# EAGLE board working (EAGLE 6.6.0), part 1 of 2
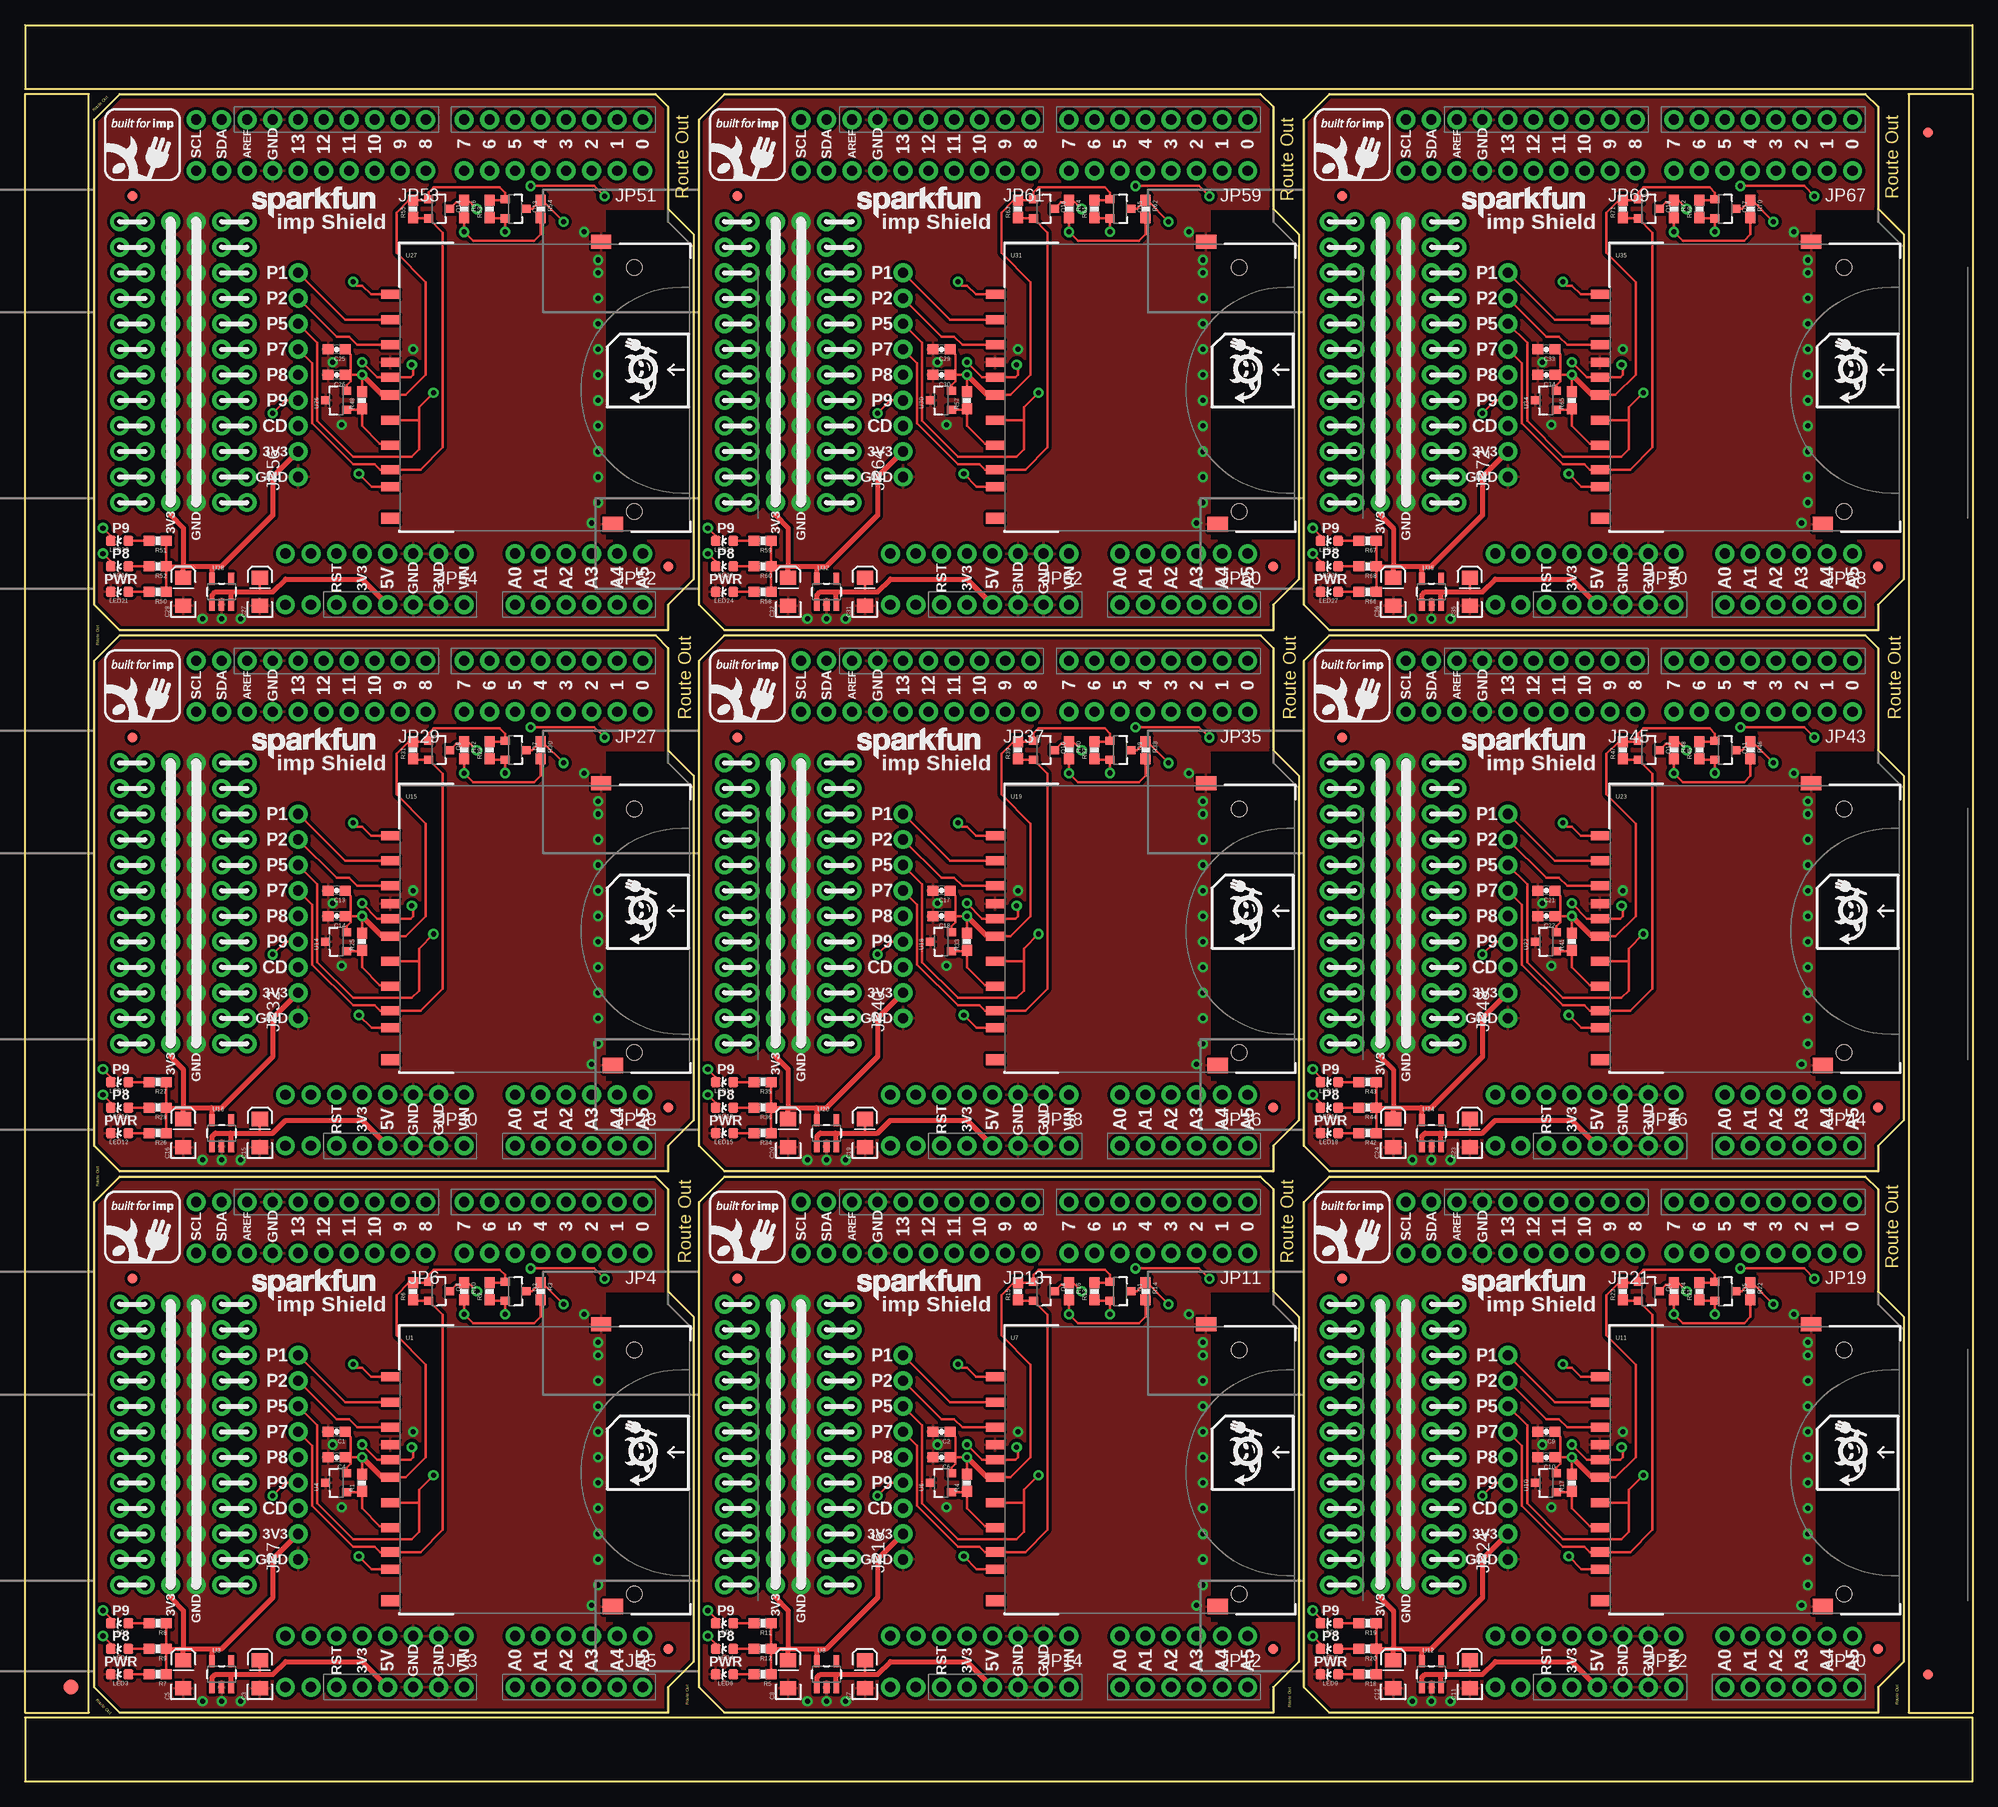
[diagram p0: board, top side]
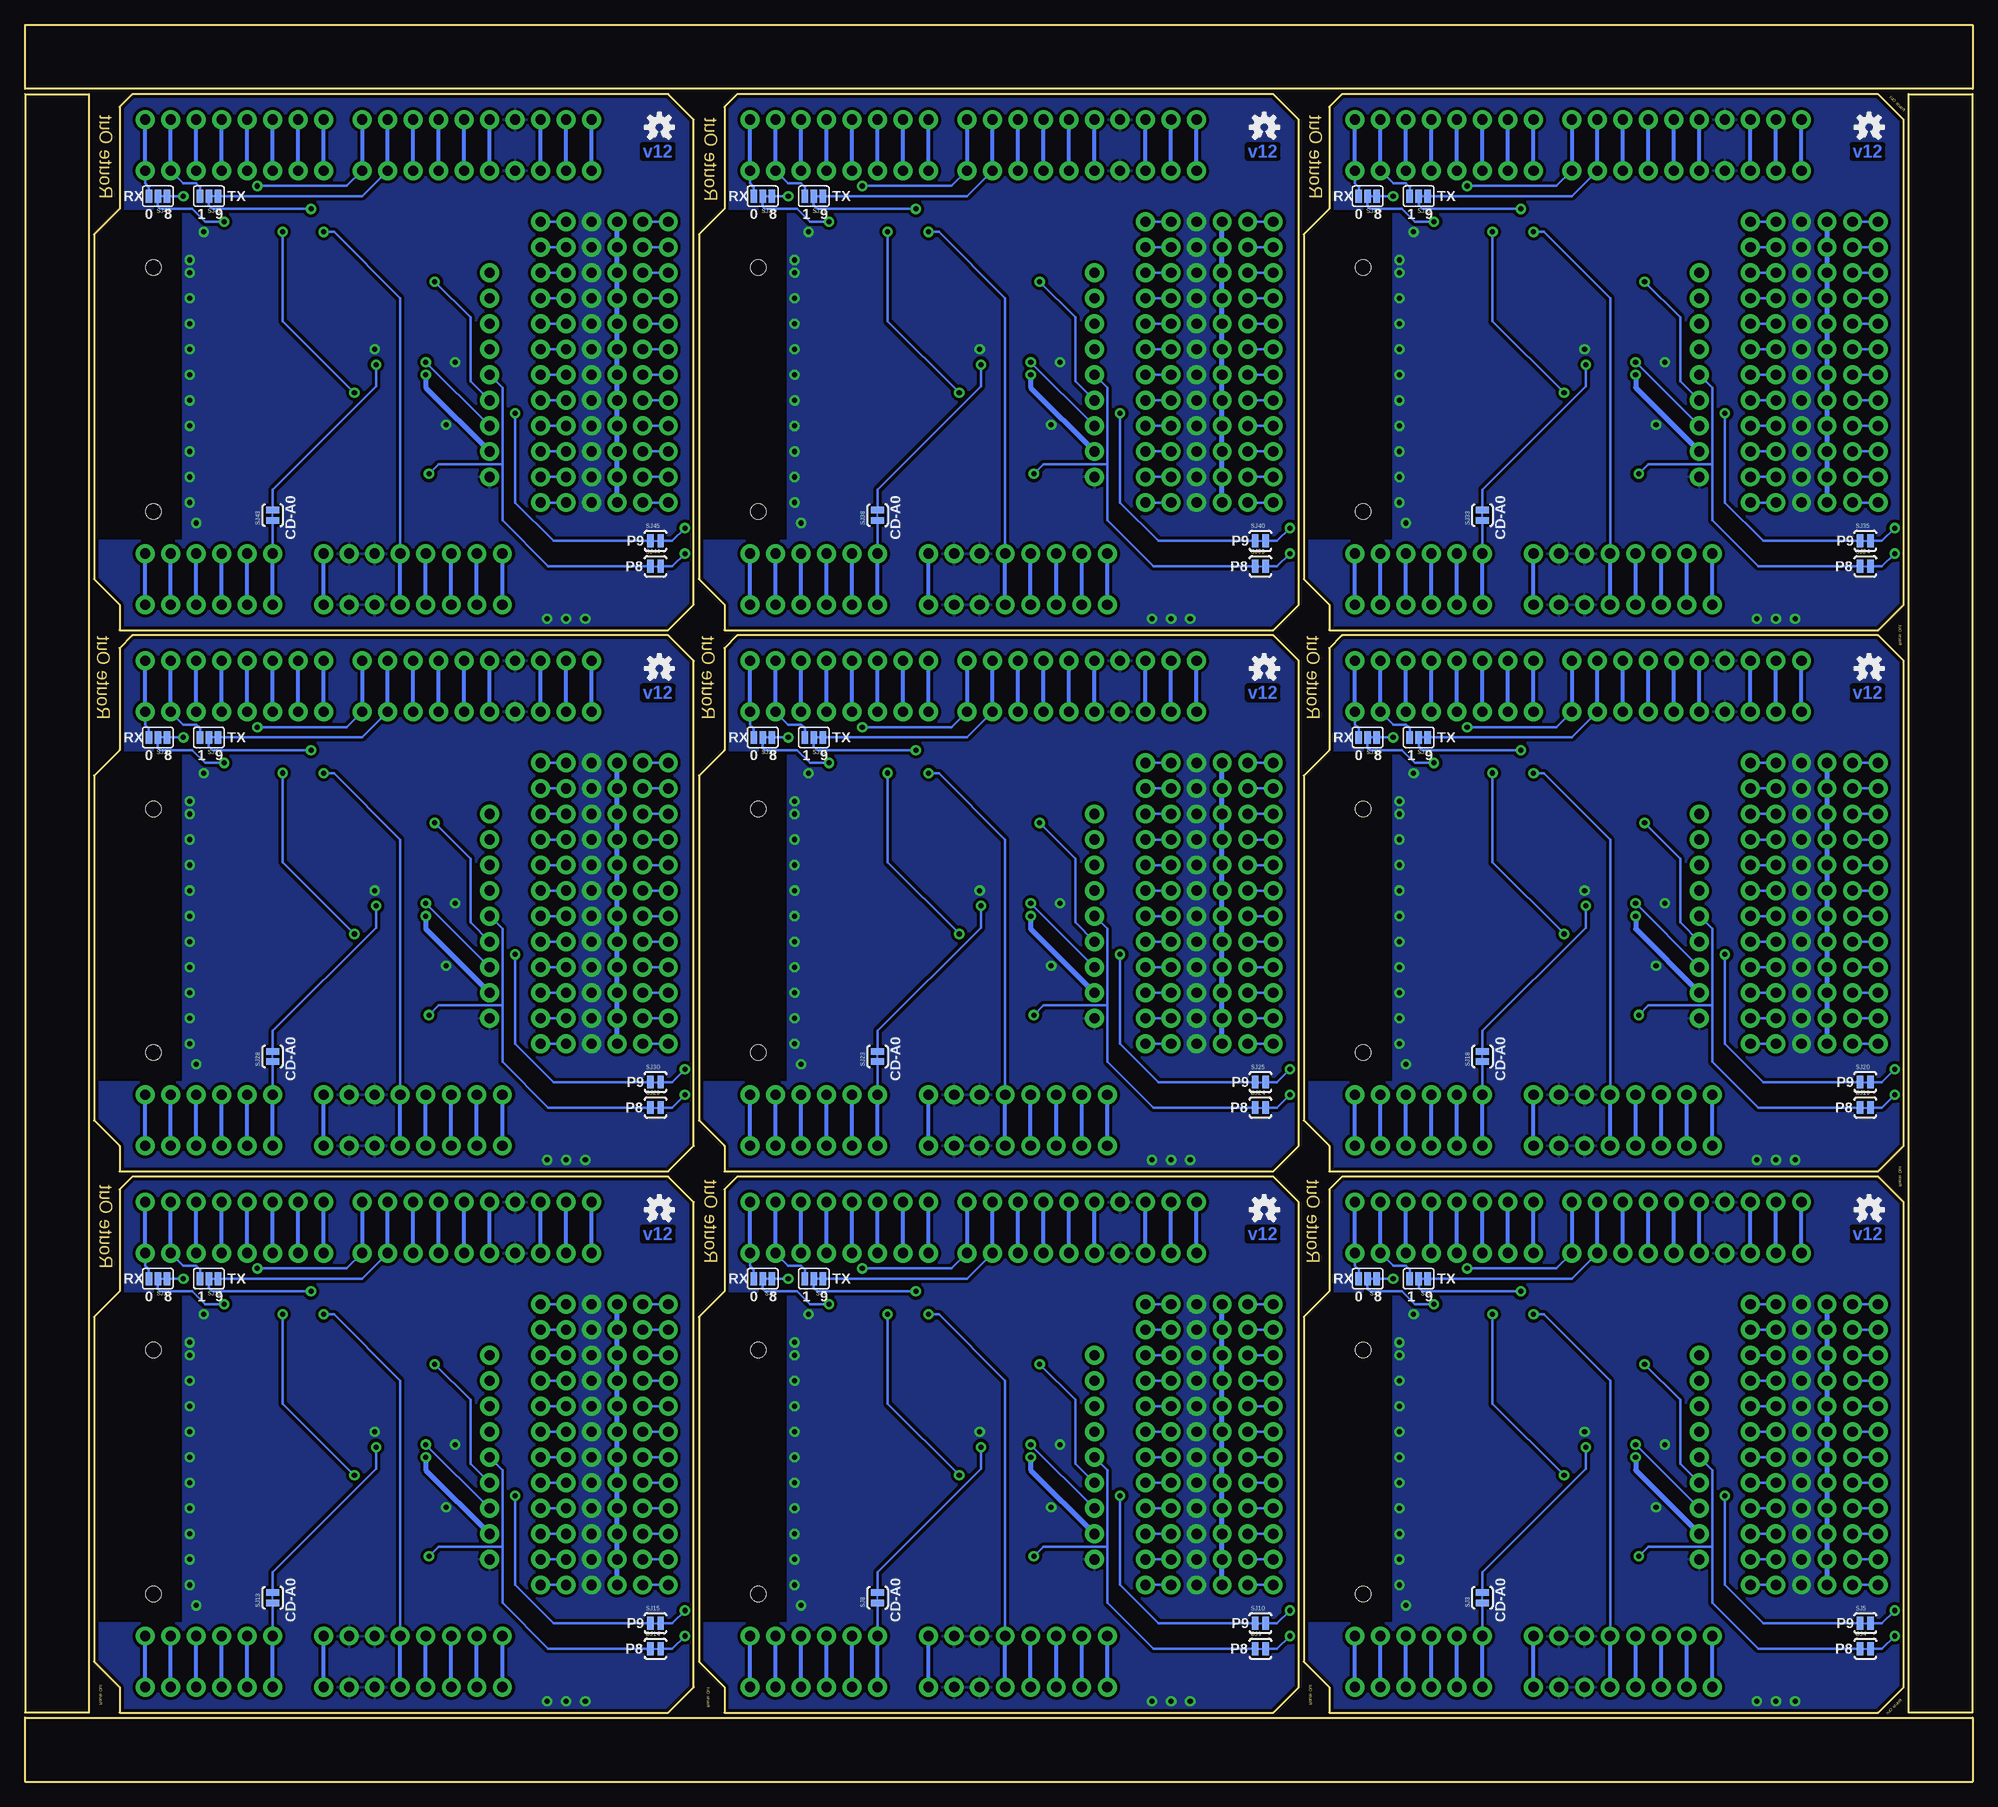
[diagram p1: board, bottom side, seen from below]

Size 193.8 x 174.75 mm. Coordinates in mm from the lower left corner, seen from the top.
Outline: 6.86,57.66 9.4,60.2 62.74,60.2 64.01,58.93 64.01,48.77 66.55,46.23 66.55,11.94 64.01,9.4 64.01,6.86 9.4,6.86 6.86,9.4 6.86,57.66
Outline: 67.06,57.66 69.6,60.2 122.94,60.2 124.21,58.93 124.21,48.77 126.75,46.23 126.75,11.94 124.21,9.4 124.21,6.86 69.6,6.86 67.06,9.4 67.06,57.66
Outline: 127.25,57.66 129.79,60.2 183.13,60.2 184.4,58.93 184.4,48.77 186.94,46.23 186.94,11.94 184.4,9.4 184.4,6.86 129.79,6.86 127.25,9.4 127.25,57.66
Outline: 6.86,111.51 9.4,114.05 62.74,114.05 64.01,112.78 64.01,102.62 66.55,100.08 66.55,65.79 64.01,63.25 64.01,60.71 9.4,60.71 6.86,63.25 6.86,111.51
Outline: 67.06,111.51 69.6,114.05 122.94,114.05 124.21,112.78 124.21,102.62 126.75,100.08 126.75,65.79 124.21,63.25 124.21,60.71 69.6,60.71 67.06,63.25 67.06,111.51
Outline: 127.25,111.51 129.79,114.05 183.13,114.05 184.4,112.78 184.4,102.62 186.94,100.08 186.94,65.79 184.4,63.25 184.4,60.71 129.79,60.71 127.25,63.25 127.25,111.51
Outline: 6.86,165.35 9.4,167.89 62.74,167.89 64.01,166.62 64.01,156.46 66.55,153.92 66.55,119.63 64.01,117.09 64.01,114.55 9.4,114.55 6.86,117.09 6.86,165.35
Outline: 67.06,165.35 69.6,167.89 122.94,167.89 124.21,166.62 124.21,156.46 126.75,153.92 126.75,119.63 124.21,117.09 124.21,114.55 69.6,114.55 67.06,117.09 67.06,165.35
Outline: 127.25,165.35 129.79,167.89 183.13,167.89 184.4,166.62 184.4,156.46 186.94,153.92 186.94,119.63 184.4,117.09 184.4,114.55 129.79,114.55 127.25,117.09 127.25,165.35
Outline: 6.35,6.86 6.35,167.89 0,167.89 0,6.86 6.35,6.86
Outline: 0,6.35 0,0 193.8,0 193.8,6.35 0,6.35
Outline: 187.45,6.86 193.8,6.86 193.8,167.89 187.45,167.89 187.45,6.86
Outline: 193.8,168.4 193.8,174.75 0,174.75 0,168.4 193.8,168.4
Copper layers (1*16): Top 0.035mm / dielectric 1.5mm / Bottom 0.035mm
Design rules "SparkFun-2-layer": minimum track width 7mil, minimum drill 15mil, track to track 8mil, track to pad 8mil, pad to pad 8mil, via to via 8mil, smd to smd 8mil, copper to edge 8mil, drill to drill 8mil, minimum pad ring 12mil, minimum via ring 10mil, stop-mask expansion 4mil, vias tented up to drill 20mil, thermal gap 10mil

## Footprints (pad centres in the part's own frame; a part is rotated, then mirrored left to right if it is on the bottom)
0603-CAP = smd 1.1 x 1: 1 -0.85,0; 2 0.85,0
EIA3216 = smd 1.4 x 1.6: A 1.4,0; C -1.4,0
FIDUCIAL-1.5X3 = smd 1.5 x 1.5: 1 0,0
FIDUCIAL-1X2 = smd 1 x 1: 1 0,0
1X02_NO_SILK = drill 1.016 pad 1.88: 1 0,0; 2 2.54,0
1X08_NO_SILK = drill 1.016 pad 1.88: 1 0,0; 2 2.54,0; 3 5.08,0; 4 7.62,0; 5 10.16,0; 6 12.7,0; 7 15.24,0; 8 17.78,0
1X06_NO_SILK = drill 1.016 pad 1.88: 1 0,0; 2 2.54,0; 3 5.08,0; 4 7.62,0; 5 10.16,0; 6 12.7,0
1X10_NO_SILK = drill 1.016 pad 1.88: 1 0,0; 2 2.54,0; 3 5.08,0; 4 7.62,0; 5 10.16,0; 6 12.7,0; 7 15.24,0; 8 17.78,0; 9 20.32,0; 10 22.86,0
1X09_NO_SILK = drill 1.016 pad 1.88: 1 0,0; 2 2.54,0; 3 5.08,0; 4 7.62,0; 5 10.16,0; 6 12.7,0; 7 15.24,0; 8 17.78,0; 9 20.32,0
LED-0603 = smd 1 x 1: A 0,-0.877; C 0,0.877
SOT23-3 = smd 0.8 x 0.9: 1 -0.95,-1; 2 0.95,-1; 3 0,1.1
0603-RES = smd 1.1 x 1: 1 -0.85,0; 2 0.85,0
SJ_3 = smd 0.635 x 1.27: 1 -0.889,0; 2 0,0; 3 0.889,0
SJ_2S-TRACE = smd 0.635 x 1.27: 1 -0.508,0; 2 0.508,0
SD_1:1 = smd 1.8 x 0.9: 1 -1,6.77; 2 -1,4.27; 3 -1,2.52; 4 -1,-0.73; 5 -1,-3.23; 6 -1,-5.73; 7 -1,-8.15; 8 -1,-9.85; 9 -1,9.27; CD -1,1.02 | smd 2 x 1.4: SH@1 20,14.496 | smd 2 x 1.527: SH@2 21.15,-13.589 | smd 1.8 x 1.1: WP -1,-13 | hole 1.55: 23.3,11.94; 23.3,-12.32
DUEMILANOVE_SHIELD_NOHOLES_NOLABELS = drill 1.016 pad 1.88: 3.3V 50.8,26.67; 5V 50.8,29.21; A0 50.8,41.91; A1 50.8,44.45; A2 50.8,46.99; A3 50.8,49.53; A4 50.8,52.07; A5 50.8,54.61; AREF 2.54,15.24; D2 2.54,49.53; D3 2.54,46.99; D4 2.54,44.45; D5 2.54,41.91; D6 2.54,39.37; D7 2.54,36.83; D8 2.54,33.02; D9 2.54,30.48; D10 2.54,27.94; D11 2.54,25.4; D12 2.54,22.86; D13 2.54,20.32; GND@0 50.8,31.75; GND@1 50.8,34.29; GND@2 2.54,17.78; RES 50.8,24.13; RX 2.54,54.61; TX 2.54,52.07; VIN 50.8,36.83
SOT23-5 = smd 0.55 x 1.2: 1 -0.95,-1.3; 2 0,-1.3; 3 0.95,-1.3; 4 0.95,1.3; 5 -0.95,1.3

## Placement (x,y rotation side)
C1  1.0uF  [0603-CAP]  30.99,34.8 180 top
C2  1.0uF  [0603-CAP]  91.19,34.8 180 top
C3  10uF  [EIA3216]  23.37,10.67 90 top
C4  0.1uF  [0603-CAP]  30.99,32.26 180 top
C5  10uF  [EIA3216]  15.75,10.67 90 top
C6  0.1uF  [0603-CAP]  91.19,32.26 180 top
C7  10uF  [EIA3216]  83.57,10.67 90 top
C8  10uF  [EIA3216]  75.95,10.67 90 top
C9  1.0uF  [0603-CAP]  151.38,34.8 180 top
C10  0.1uF  [0603-CAP]  151.38,32.26 180 top
C11  10uF  [EIA3216]  143.76,10.67 90 top
C12  10uF  [EIA3216]  136.14,10.67 90 top
C13  1.0uF  [0603-CAP]  30.99,88.65 180 top
C14  0.1uF  [0603-CAP]  30.99,86.11 180 top
C15  10uF  [EIA3216]  23.37,64.52 90 top
C16  10uF  [EIA3216]  15.75,64.52 90 top
C17  1.0uF  [0603-CAP]  91.19,88.65 180 top
C18  0.1uF  [0603-CAP]  91.19,86.11 180 top
C19  10uF  [EIA3216]  83.57,64.52 90 top
C20  10uF  [EIA3216]  75.95,64.52 90 top
C21  1.0uF  [0603-CAP]  151.38,88.65 180 top
C22  0.1uF  [0603-CAP]  151.38,86.11 180 top
C23  10uF  [EIA3216]  143.76,64.52 90 top
C24  10uF  [EIA3216]  136.14,64.52 90 top
C25  1.0uF  [0603-CAP]  30.99,142.49 180 top
C26  0.1uF  [0603-CAP]  30.99,139.95 180 top
C27  10uF  [EIA3216]  23.37,118.36 90 top
C28  10uF  [EIA3216]  15.75,118.36 90 top
C29  1.0uF  [0603-CAP]  91.19,142.49 180 top
C30  0.1uF  [0603-CAP]  91.19,139.95 180 top
C31  10uF  [EIA3216]  83.57,118.36 90 top
C32  10uF  [EIA3216]  75.95,118.36 90 top
C33  1.0uF  [0603-CAP]  151.38,142.49 180 top
C34  0.1uF  [0603-CAP]  151.38,139.95 180 top
C35  10uF  [EIA3216]  143.76,118.36 90 top
C36  10uF  [EIA3216]  136.14,118.36 90 top
E$1  [FIDUCIAL-1.5X3]  4.57,9.4 0 top
E$4  [FIDUCIAL-1X2]  189.36,10.67 0 top
E$5  [FIDUCIAL-1X2]  189.36,164.08 180 top
FID1  FIDUCIAL1X2  [FIDUCIAL-1X2]  64.01,13.21 0 top
FID2  FIDUCIAL1X2  [FIDUCIAL-1X2]  10.67,50.04 0 top
FID3  FIDUCIAL1X2  [FIDUCIAL-1X2]  124.21,13.21 0 top
FID4  FIDUCIAL1X2  [FIDUCIAL-1X2]  70.87,50.04 0 top
FID5  FIDUCIAL1X2  [FIDUCIAL-1X2]  184.4,13.21 0 top
FID6  FIDUCIAL1X2  [FIDUCIAL-1X2]  131.06,50.04 0 top
FID7  FIDUCIAL1X2  [FIDUCIAL-1X2]  64.01,67.06 0 top
FID8  FIDUCIAL1X2  [FIDUCIAL-1X2]  10.67,103.89 0 top
FID9  FIDUCIAL1X2  [FIDUCIAL-1X2]  124.21,67.06 0 top
FID10  FIDUCIAL1X2  [FIDUCIAL-1X2]  70.87,103.89 0 top
FID11  FIDUCIAL1X2  [FIDUCIAL-1X2]  184.4,67.06 0 top
FID12  FIDUCIAL1X2  [FIDUCIAL-1X2]  131.06,103.89 0 top
FID13  FIDUCIAL1X2  [FIDUCIAL-1X2]  64.01,120.9 0 top
FID14  FIDUCIAL1X2  [FIDUCIAL-1X2]  10.67,157.73 0 top
FID15  FIDUCIAL1X2  [FIDUCIAL-1X2]  124.21,120.9 0 top
FID16  FIDUCIAL1X2  [FIDUCIAL-1X2]  70.87,157.73 0 top
FID17  FIDUCIAL1X2  [FIDUCIAL-1X2]  184.4,120.9 0 top
FID18  FIDUCIAL1X2  [FIDUCIAL-1X2]  131.06,157.73 0 top
JP1  [1X02_NO_SILK]  17.02,57.66 0 top
JP2  [1X02_NO_SILK]  28.45,9.4 180 top
JP3  [1X08_NO_SILK]  43.69,14.48 180 top
JP4  [1X08_NO_SILK]  61.47,52.58 180 top
JP5  [1X06_NO_SILK]  61.47,14.48 180 top
JP6  M10SIP_NS  [1X10_NO_SILK]  39.88,52.58 180 top
JP7  M09NO_SILK  [1X09_NO_SILK]  27.18,22.1 90 top
JP8  [1X02_NO_SILK]  77.22,57.66 0 top
JP9  [1X02_NO_SILK]  88.65,9.4 180 top
JP10  LOGO-SFENW2  [SFE-NEW-WEB]  22.61,47.88 0 top
JP11  [1X08_NO_SILK]  121.67,52.58 180 top
JP12  [1X06_NO_SILK]  121.67,14.48 180 top
JP13  M10SIP_NS  [1X10_NO_SILK]  100.08,52.58 180 top
JP14  [1X08_NO_SILK]  103.89,14.48 180 top
JP15  LOGO-SFENW2  [SFE-NEW-WEB]  82.8,47.88 0 top
JP16  M09NO_SILK  [1X09_NO_SILK]  87.38,22.1 90 top
JP17  [1X02_NO_SILK]  137.41,57.66 0 top
JP18  [1X02_NO_SILK]  148.84,9.4 180 top
JP19  [1X08_NO_SILK]  181.86,52.58 180 top
JP20  [1X06_NO_SILK]  181.86,14.48 180 top
JP21  M10SIP_NS  [1X10_NO_SILK]  160.27,52.58 180 top
JP22  [1X08_NO_SILK]  164.08,14.48 180 top
JP23  LOGO-SFENW2  [SFE-NEW-WEB]  143,47.88 0 top
JP24  M09NO_SILK  [1X09_NO_SILK]  147.57,22.1 90 top
JP25  [1X02_NO_SILK]  17.02,111.51 0 top
JP26  [1X02_NO_SILK]  28.45,63.25 180 top
JP27  [1X08_NO_SILK]  61.47,106.43 180 top
JP28  [1X06_NO_SILK]  61.47,68.33 180 top
JP29  M10SIP_NS  [1X10_NO_SILK]  39.88,106.43 180 top
JP30  [1X08_NO_SILK]  43.69,68.33 180 top
JP31  LOGO-SFENW2  [SFE-NEW-WEB]  22.61,101.73 0 top
JP32  M09NO_SILK  [1X09_NO_SILK]  27.18,75.95 90 top
JP33  [1X02_NO_SILK]  77.22,111.51 0 top
JP34  [1X02_NO_SILK]  88.65,63.25 180 top
JP35  [1X08_NO_SILK]  121.67,106.43 180 top
JP36  [1X06_NO_SILK]  121.67,68.33 180 top
JP37  M10SIP_NS  [1X10_NO_SILK]  100.08,106.43 180 top
JP38  [1X08_NO_SILK]  103.89,68.33 180 top
JP39  LOGO-SFENW2  [SFE-NEW-WEB]  82.8,101.73 0 top
JP40  M09NO_SILK  [1X09_NO_SILK]  87.38,75.95 90 top
JP41  [1X02_NO_SILK]  137.41,111.51 0 top
JP42  [1X02_NO_SILK]  148.84,63.25 180 top
JP43  [1X08_NO_SILK]  181.86,106.43 180 top
JP44  [1X06_NO_SILK]  181.86,68.33 180 top
JP45  M10SIP_NS  [1X10_NO_SILK]  160.27,106.43 180 top
JP46  [1X08_NO_SILK]  164.08,68.33 180 top
JP47  LOGO-SFENW2  [SFE-NEW-WEB]  143,101.73 0 top
JP48  M09NO_SILK  [1X09_NO_SILK]  147.57,75.95 90 top
JP49  [1X02_NO_SILK]  17.02,165.35 0 top
JP50  [1X02_NO_SILK]  28.45,117.09 180 top
JP51  [1X08_NO_SILK]  61.47,160.27 180 top
JP52  [1X06_NO_SILK]  61.47,122.17 180 top
JP53  M10SIP_NS  [1X10_NO_SILK]  39.88,160.27 180 top
JP54  [1X08_NO_SILK]  43.69,122.17 180 top
JP55  LOGO-SFENW2  [SFE-NEW-WEB]  22.61,155.57 0 top
JP56  M09NO_SILK  [1X09_NO_SILK]  27.18,129.79 90 top
JP57  [1X02_NO_SILK]  77.22,165.35 0 top
JP58  [1X02_NO_SILK]  88.65,117.09 180 top
JP59  [1X08_NO_SILK]  121.67,160.27 180 top
JP60  [1X06_NO_SILK]  121.67,122.17 180 top
JP61  M10SIP_NS  [1X10_NO_SILK]  100.08,160.27 180 top
JP62  [1X08_NO_SILK]  103.89,122.17 180 top
JP63  LOGO-SFENW2  [SFE-NEW-WEB]  82.8,155.57 0 top
JP64  M09NO_SILK  [1X09_NO_SILK]  87.38,129.79 90 top
JP65  [1X02_NO_SILK]  137.41,165.35 0 top
JP66  [1X02_NO_SILK]  148.84,117.09 180 top
JP67  [1X08_NO_SILK]  181.86,160.27 180 top
JP68  [1X06_NO_SILK]  181.86,122.17 180 top
JP69  M10SIP_NS  [1X10_NO_SILK]  160.27,160.27 180 top
JP70  [1X08_NO_SILK]  164.08,122.17 180 top
JP71  LOGO-SFENW2  [SFE-NEW-WEB]  143,155.57 0 top
JP72  M09NO_SILK  [1X09_NO_SILK]  147.57,129.79 90 top
LED1  RED  [LED-0603]  9.4,13.21 90 top
LED2  YELLOW  [LED-0603]  9.4,15.75 90 top
LED3  GREEN  [LED-0603]  9.4,10.67 90 top
LED4  RED  [LED-0603]  69.6,13.21 90 top
LED5  YELLOW  [LED-0603]  69.6,15.75 90 top
LED6  GREEN  [LED-0603]  69.6,10.67 90 top
LED7  RED  [LED-0603]  129.79,13.21 90 top
LED8  YELLOW  [LED-0603]  129.79,15.75 90 top
LED9  GREEN  [LED-0603]  129.79,10.67 90 top
LED10  RED  [LED-0603]  9.4,67.06 90 top
LED11  YELLOW  [LED-0603]  9.4,69.6 90 top
LED12  GREEN  [LED-0603]  9.4,64.52 90 top
LED13  RED  [LED-0603]  69.6,67.06 90 top
LED14  YELLOW  [LED-0603]  69.6,69.6 90 top
LED15  GREEN  [LED-0603]  69.6,64.52 90 top
LED16  RED  [LED-0603]  129.79,67.06 90 top
LED17  YELLOW  [LED-0603]  129.79,69.6 90 top
LED18  GREEN  [LED-0603]  129.79,64.52 90 top
LED19  RED  [LED-0603]  9.4,120.9 90 top
LED20  YELLOW  [LED-0603]  9.4,123.44 90 top
LED21  GREEN  [LED-0603]  9.4,118.36 90 top
LED22  RED  [LED-0603]  69.6,120.9 90 top
LED23  YELLOW  [LED-0603]  69.6,123.44 90 top
LED24  GREEN  [LED-0603]  69.6,118.36 90 top
LED25  RED  [LED-0603]  129.79,120.9 90 top
LED26  YELLOW  [LED-0603]  129.79,123.44 90 top
LED27  GREEN  [LED-0603]  129.79,118.36 90 top
Q1  BSS138  [SOT23-3]  108.97,48.77 270 top
Q2  BSS138  [SOT23-3]  48.77,48.77 270 top
Q3  BSS138  [SOT23-3]  41.15,48.77 270 top
Q4  BSS138  [SOT23-3]  101.35,48.77 270 top
Q5  BSS138  [SOT23-3]  169.16,48.77 270 top
Q6  BSS138  [SOT23-3]  161.54,48.77 270 top
Q7  BSS138  [SOT23-3]  48.77,102.62 270 top
Q8  BSS138  [SOT23-3]  41.15,102.62 270 top
Q9  BSS138  [SOT23-3]  108.97,102.62 270 top
Q10  BSS138  [SOT23-3]  101.35,102.62 270 top
Q11  BSS138  [SOT23-3]  169.16,102.62 270 top
Q12  BSS138  [SOT23-3]  161.54,102.62 270 top
Q13  BSS138  [SOT23-3]  48.77,156.46 270 top
Q14  BSS138  [SOT23-3]  41.15,156.46 270 top
Q15  BSS138  [SOT23-3]  108.97,156.46 270 top
Q16  BSS138  [SOT23-3]  101.35,156.46 270 top
Q17  BSS138  [SOT23-3]  169.16,156.46 270 top
Q18  BSS138  [SOT23-3]  161.54,156.46 270 top
R1  100k  [0603-RES]  33.53,29.72 90 top
R2  10k  [0603-RES]  46.23,48.77 90 top
R3  10k  [0603-RES]  51.31,48.77 270 top
R4  100k  [0603-RES]  93.73,29.72 90 top
R5  330  [0603-RES]  73.41,10.67 180 top
R6  10k  [0603-RES]  38.61,48.77 90 top
R7  330  [0603-RES]  13.21,10.67 180 top
R8  330  [0603-RES]  13.21,15.75 180 top
R9  330  [0603-RES]  13.21,13.21 180 top
R10  10k  [0603-RES]  43.69,48.77 270 top
R11  330  [0603-RES]  73.41,15.75 180 top
R12  330  [0603-RES]  73.41,13.21 180 top
R13  10k  [0603-RES]  106.43,48.77 90 top
R14  10k  [0603-RES]  111.51,48.77 270 top
R15  10k  [0603-RES]  98.81,48.77 90 top
R16  10k  [0603-RES]  103.89,48.77 270 top
R17  100k  [0603-RES]  153.92,29.72 90 top
R18  330  [0603-RES]  133.6,10.67 180 top
R19  330  [0603-RES]  133.6,15.75 180 top
R20  330  [0603-RES]  133.6,13.21 180 top
R21  10k  [0603-RES]  166.62,48.77 90 top
R22  10k  [0603-RES]  171.7,48.77 270 top
R23  10k  [0603-RES]  159,48.77 90 top
R24  10k  [0603-RES]  164.08,48.77 270 top
R25  100k  [0603-RES]  33.53,83.57 90 top
R26  330  [0603-RES]  13.21,64.52 180 top
R27  330  [0603-RES]  13.21,69.6 180 top
R28  330  [0603-RES]  13.21,67.06 180 top
R29  10k  [0603-RES]  46.23,102.62 90 top
R30  10k  [0603-RES]  51.31,102.62 270 top
R31  10k  [0603-RES]  38.61,102.62 90 top
R32  10k  [0603-RES]  43.69,102.62 270 top
R33  100k  [0603-RES]  93.73,83.57 90 top
R34  330  [0603-RES]  73.41,64.52 180 top
R35  330  [0603-RES]  73.41,69.6 180 top
R36  330  [0603-RES]  73.41,67.06 180 top
R37  10k  [0603-RES]  106.43,102.62 90 top
R38  10k  [0603-RES]  111.51,102.62 270 top
R39  10k  [0603-RES]  98.81,102.62 90 top
R40  10k  [0603-RES]  103.89,102.62 270 top
R41  100k  [0603-RES]  153.92,83.57 90 top
R42  330  [0603-RES]  133.6,64.52 180 top
R43  330  [0603-RES]  133.6,69.6 180 top
R44  330  [0603-RES]  133.6,67.06 180 top
R45  10k  [0603-RES]  166.62,102.62 90 top
R46  10k  [0603-RES]  171.7,102.62 270 top
R47  10k  [0603-RES]  159,102.62 90 top
R48  10k  [0603-RES]  164.08,102.62 270 top
R49  100k  [0603-RES]  33.53,137.41 90 top
R50  330  [0603-RES]  13.21,118.36 180 top
R51  330  [0603-RES]  13.21,123.44 180 top
R52  330  [0603-RES]  13.21,120.9 180 top
R53  10k  [0603-RES]  46.23,156.46 90 top
R54  10k  [0603-RES]  51.31,156.46 270 top
R55  10k  [0603-RES]  38.61,156.46 90 top
R56  10k  [0603-RES]  43.69,156.46 270 top
R57  100k  [0603-RES]  93.73,137.41 90 top
R58  330  [0603-RES]  73.41,118.36 180 top
R59  330  [0603-RES]  73.41,123.44 180 top
R60  330  [0603-RES]  73.41,120.9 180 top
R61  10k  [0603-RES]  106.43,156.46 90 top
R62  10k  [0603-RES]  111.51,156.46 270 top
R63  10k  [0603-RES]  98.81,156.46 90 top
R64  10k  [0603-RES]  103.89,156.46 270 top
R65  100k  [0603-RES]  153.92,137.41 90 top
R66  330  [0603-RES]  133.6,118.36 180 top
R67  330  [0603-RES]  133.6,123.44 180 top
R68  330  [0603-RES]  133.6,120.9 180 top
R69  10k  [0603-RES]  166.62,156.46 90 top
R70  10k  [0603-RES]  171.7,156.46 270 top
R71  10k  [0603-RES]  159,156.46 90 top
R72  10k  [0603-RES]  164.08,156.46 270 top
SJ1  [SJ_3]  60.2,50.04 180 bottom
SJ2  [SJ_3]  55.12,50.04 180 bottom
SJ3  cd  [SJ_2S-TRACE]  48.77,18.29 90 bottom
SJ4  8  [SJ_2S-TRACE]  10.67,13.21 0 bottom
SJ5  2  [SJ_2S-TRACE]  10.67,15.75 0 bottom
SJ6  [SJ_3]  120.4,50.04 180 bottom
SJ7  [SJ_3]  115.32,50.04 180 bottom
SJ8  cd  [SJ_2S-TRACE]  108.97,18.29 90 bottom
SJ9  8  [SJ_2S-TRACE]  70.87,13.21 0 bottom
SJ10  2  [SJ_2S-TRACE]  70.87,15.75 0 bottom
SJ11  [SJ_3]  180.59,50.04 180 bottom
SJ12  [SJ_3]  175.51,50.04 180 bottom
SJ13  cd  [SJ_2S-TRACE]  169.16,18.29 90 bottom
SJ14  8  [SJ_2S-TRACE]  131.06,13.21 0 bottom
SJ15  2  [SJ_2S-TRACE]  131.06,15.75 0 bottom
SJ16  [SJ_3]  60.2,103.89 180 bottom
SJ17  [SJ_3]  55.12,103.89 180 bottom
SJ18  cd  [SJ_2S-TRACE]  48.77,72.14 90 bottom
SJ19  8  [SJ_2S-TRACE]  10.67,67.06 0 bottom
SJ20  2  [SJ_2S-TRACE]  10.67,69.6 0 bottom
SJ21  [SJ_3]  120.4,103.89 180 bottom
SJ22  [SJ_3]  115.32,103.89 180 bottom
SJ23  cd  [SJ_2S-TRACE]  108.97,72.14 90 bottom
SJ24  8  [SJ_2S-TRACE]  70.87,67.06 0 bottom
SJ25  2  [SJ_2S-TRACE]  70.87,69.6 0 bottom
SJ26  [SJ_3]  180.59,103.89 180 bottom
SJ27  [SJ_3]  175.51,103.89 180 bottom
SJ28  cd  [SJ_2S-TRACE]  169.16,72.14 90 bottom
SJ29  8  [SJ_2S-TRACE]  131.06,67.06 0 bottom
SJ30  2  [SJ_2S-TRACE]  131.06,69.6 0 bottom
SJ31  [SJ_3]  60.2,157.73 180 bottom
SJ32  [SJ_3]  55.12,157.73 180 bottom
SJ33  cd  [SJ_2S-TRACE]  48.77,125.98 90 bottom
SJ34  8  [SJ_2S-TRACE]  10.67,120.9 0 bottom
SJ35  2  [SJ_2S-TRACE]  10.67,123.44 0 bottom
SJ36  [SJ_3]  120.4,157.73 180 bottom
SJ37  [SJ_3]  115.32,157.73 180 bottom
SJ38  cd  [SJ_2S-TRACE]  108.97,125.98 90 bottom
SJ39  8  [SJ_2S-TRACE]  70.87,120.9 0 bottom
SJ40  2  [SJ_2S-TRACE]  70.87,123.44 0 bottom
SJ41  [SJ_3]  180.59,157.73 180 bottom
SJ42  [SJ_3]  175.51,157.73 180 bottom
SJ43  cd  [SJ_2S-TRACE]  169.16,125.98 90 bottom
SJ44  8  [SJ_2S-TRACE]  131.06,120.9 0 bottom
SJ45  2  [SJ_2S-TRACE]  131.06,123.44 0 bottom
U1  ELECTRIC_IMP  [SD_1:1]  37.34,30.99 0 top
U2  ARDUINO_SHIELD  [DUEMILANOVE_SHIELD_NOHOLES_NOLABELS]  6.86,60.2 270 top
U3  MIC5219-3.3  [SOT23-5]  19.56,10.67 0 top
U4  ATSHA204-TSU  [SOT23-3]  30.99,29.72 90 top
U5  ARDUINO_SHIELD  [DUEMILANOVE_SHIELD_NOHOLES_NOLABELS]  67.06,60.2 270 top
U6  ATSHA204-TSU  [SOT23-3]  91.19,29.72 90 top
U7  ELECTRIC_IMP  [SD_1:1]  97.54,30.99 0 top
U8  MIC5219-3.3  [SOT23-5]  79.76,10.67 0 top
U9  ARDUINO_SHIELD  [DUEMILANOVE_SHIELD_NOHOLES_NOLABELS]  127.25,60.2 270 top
U10  ATSHA204-TSU  [SOT23-3]  151.38,29.72 90 top
U11  ELECTRIC_IMP  [SD_1:1]  157.73,30.99 0 top
U12  MIC5219-3.3  [SOT23-5]  139.95,10.67 0 top
U13  ARDUINO_SHIELD  [DUEMILANOVE_SHIELD_NOHOLES_NOLABELS]  6.86,114.05 270 top
U14  ATSHA204-TSU  [SOT23-3]  30.99,83.57 90 top
U15  ELECTRIC_IMP  [SD_1:1]  37.34,84.84 0 top
U16  MIC5219-3.3  [SOT23-5]  19.56,64.52 0 top
U17  ARDUINO_SHIELD  [DUEMILANOVE_SHIELD_NOHOLES_NOLABELS]  67.06,114.05 270 top
U18  ATSHA204-TSU  [SOT23-3]  91.19,83.57 90 top
U19  ELECTRIC_IMP  [SD_1:1]  97.54,84.84 0 top
U20  MIC5219-3.3  [SOT23-5]  79.76,64.52 0 top
U21  ARDUINO_SHIELD  [DUEMILANOVE_SHIELD_NOHOLES_NOLABELS]  127.25,114.05 270 top
U22  ATSHA204-TSU  [SOT23-3]  151.38,83.57 90 top
U23  ELECTRIC_IMP  [SD_1:1]  157.73,84.84 0 top
U24  MIC5219-3.3  [SOT23-5]  139.95,64.52 0 top
U25  ARDUINO_SHIELD  [DUEMILANOVE_SHIELD_NOHOLES_NOLABELS]  6.86,167.89 270 top
U26  ATSHA204-TSU  [SOT23-3]  30.99,137.41 90 top
U27  ELECTRIC_IMP  [SD_1:1]  37.34,138.68 0 top
U28  MIC5219-3.3  [SOT23-5]  19.56,118.36 0 top
U29  ARDUINO_SHIELD  [DUEMILANOVE_SHIELD_NOHOLES_NOLABELS]  67.06,167.89 270 top
U30  ATSHA204-TSU  [SOT23-3]  91.19,137.41 90 top
U31  ELECTRIC_IMP  [SD_1:1]  97.54,138.68 0 top
U32  MIC5219-3.3  [SOT23-5]  79.76,118.36 0 top
U33  ARDUINO_SHIELD  [DUEMILANOVE_SHIELD_NOHOLES_NOLABELS]  127.25,167.89 270 top
U34  ATSHA204-TSU  [SOT23-3]  151.38,137.41 90 top
U35  ELECTRIC_IMP  [SD_1:1]  157.73,138.68 0 top
U36  MIC5219-3.3  [SOT23-5]  139.95,118.36 0 top
U$1  OSHW-LOGOS  [OSHW-LOGO-S]  70.48,56.9 0 bottom
U$2  OSHW-LOGOS  [OSHW-LOGO-S]  130.68,56.9 0 bottom
U$3  OSHW-LOGOS  [OSHW-LOGO-S]  10.29,110.74 0 bottom
U$4  OSHW-LOGOS  [OSHW-LOGO-S]  70.48,110.74 0 bottom
U$5  OSHW-LOGOS  [OSHW-LOGO-S]  130.68,110.74 0 bottom
U$6  OSHW-LOGOS  [OSHW-LOGO-S]  10.29,164.59 0 bottom
U$7  OSHW-LOGOS  [OSHW-LOGO-S]  10.29,56.9 0 bottom
U$8  OSHW-LOGOS  [OSHW-LOGO-S]  70.48,164.59 0 bottom
U$9  OSHW-LOGOS  [OSHW-LOGO-S]  130.68,164.59 0 bottom
